# KiCad board BDCMotorController.kicad_pcb
date: mar. 31 mars 2015
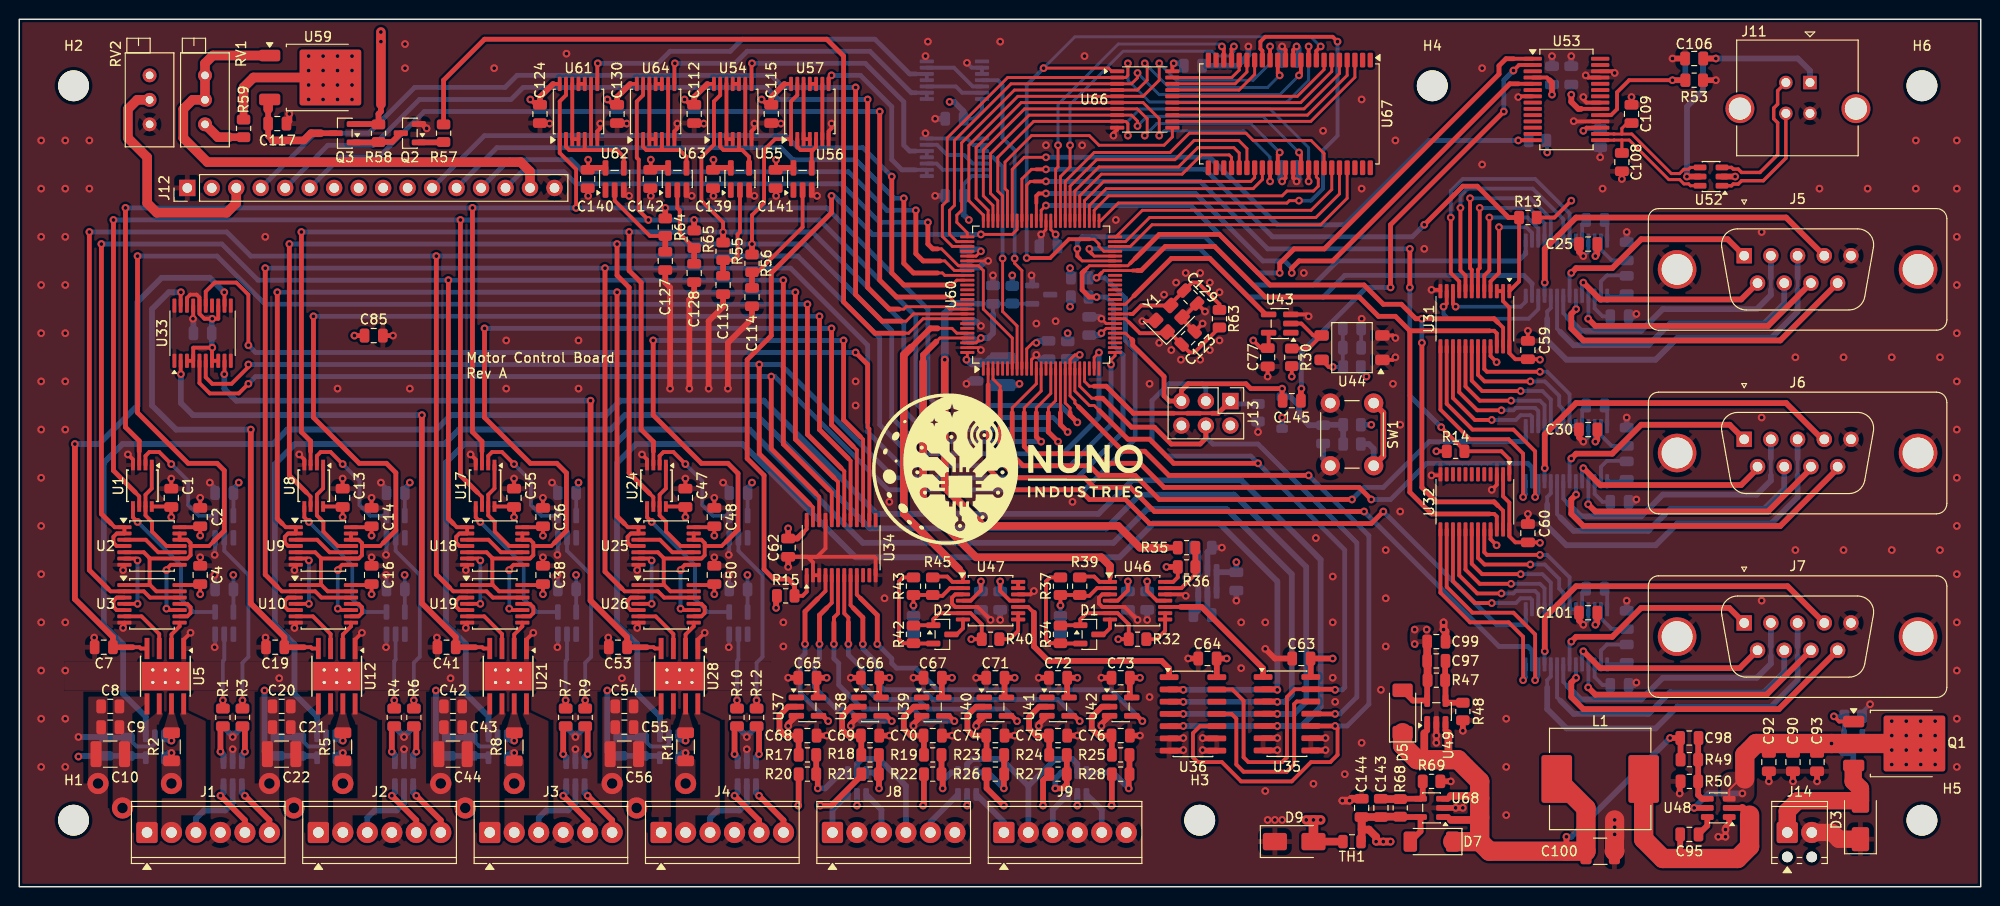
[diagram p0: board, top side]
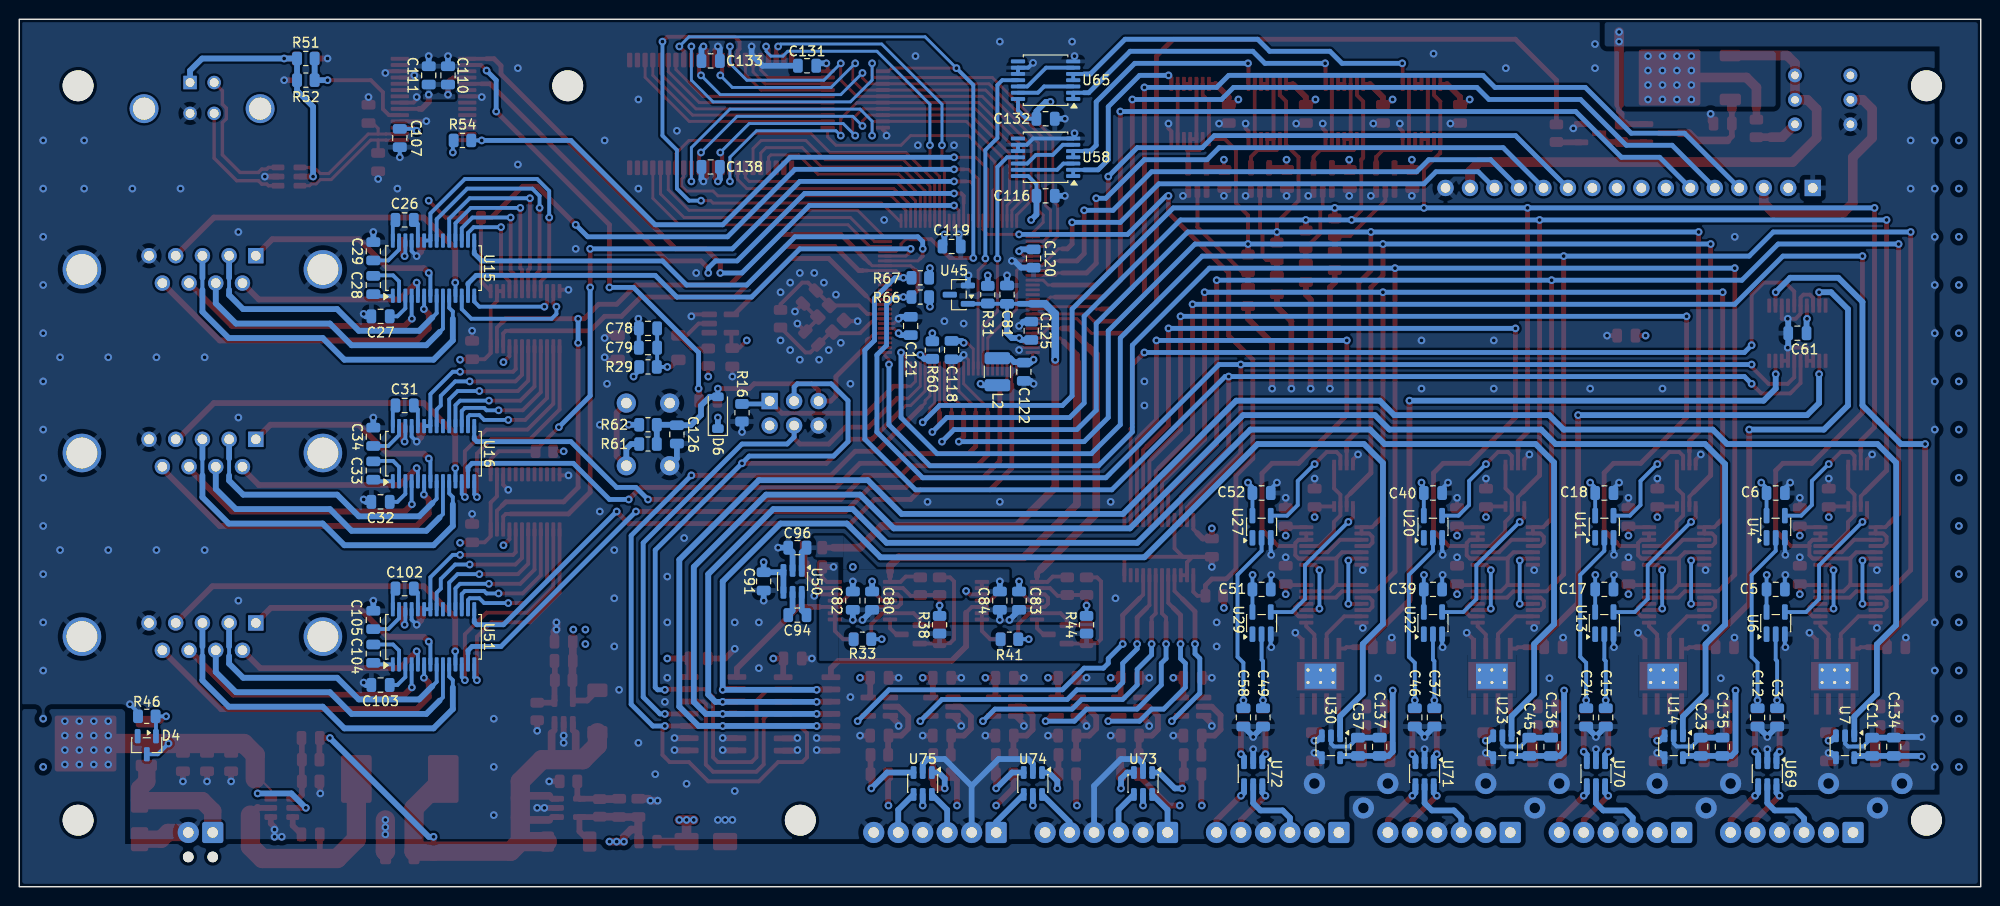
[diagram p1: board, bottom side, seen from below]

Outline 203.5 x 90 mm; copper layers: Top, In1.Cu (plane), In2.Cu (plane), Bottom. Coordinates in mm from the lower left corner of the outline.
Outline path: rectangle 0,90 203.5,0
Stack: Top 0.035mm / dielectric 0.2104mm FR4 er 4.5 / In1.Cu 0.0152mm / dielectric 1.065mm FR4 er 4.5 / In2.Cu 0.0152mm / dielectric 0.2104mm FR4 er 4.5 / Bottom 0.035mm

## Placement (name value [footprint] x y rotation side)
C1  100nC  [C_0805_2012Metric]  15.77 40.35 90 top
C2  100nC  [C_0805_2012Metric]  18.77 38.35 90 top
C3  100pC  [C_0805_2012Metric]  21.12 17.57 270 bottom
C4  100nC  [C_0805_2012Metric]  18.77 32.35 90 top
C5  100nC  [C_0805_2012Metric]  21.27 30.85 180 bottom
C6  100nC  [C_0805_2012Metric]  21.27 40.85 180 bottom
C7  100nC  [C_0805_2012Metric]  8.77 24.85 180 top
C8  100nC  [C_0805_2012Metric]  9.44 18.71 180 top
C9  10uC  [C_0805_2012Metric]  9.44 16.55 180 top
C10  47uC  [C_1210_3225Metric]  9.44 13.76 180 top
C11  100nC  [C_0805_2012Metric]  11.27 14.52 90 bottom
C12  100pC  [C_0805_2012Metric]  23.16 17.57 270 bottom
C13  100nC  [C_0805_2012Metric]  33.55 40.35 90 top
C14  100nC  [C_0805_2012Metric]  36.55 38.35 90 top
C15  100pC  [C_0805_2012Metric]  38.9 17.57 270 bottom
C16  100nC  [C_0805_2012Metric]  36.55 32.35 90 top
C17  100nC  [C_0805_2012Metric]  39.05 30.85 180 bottom
C18  100nC  [C_0805_2012Metric]  39.05 40.85 180 bottom
C19  100nC  [C_0805_2012Metric]  26.55 24.85 180 top
C20  100nC  [C_0805_2012Metric]  27.22 18.71 180 top
C21  10uC  [C_0805_2012Metric]  27.22 16.55 180 top
C22  47uC  [C_1210_3225Metric]  27.22 13.76 180 top
C23  100nC  [C_0805_2012Metric]  29.05 14.52 90 bottom
C24  100pC  [C_0805_2012Metric]  40.94 17.57 270 bottom
C25  100nC  [C_0805_2012Metric]  162.77 66.68 180 top
C26  330nC  [C_0805_2012Metric]  163.52 69.18 180 bottom
C27  330nC  [C_0805_2012Metric]  166.02 59.18 0 bottom
C28  330nC  [C_0805_2012Metric]  166.77 62.43 90 bottom
C29  330nC  [C_0805_2012Metric]  166.77 65.93 90 bottom
C30  100nC  [C_0805_2012Metric]  162.77 47.43 180 top
C31  330nC  [C_0805_2012Metric]  163.52 49.93 180 bottom
C32  330nC  [C_0805_2012Metric]  166.02 39.93 0 bottom
C33  330nC  [C_0805_2012Metric]  166.77 43.18 90 bottom
C34  330nC  [C_0805_2012Metric]  166.77 46.68 90 bottom
C35  100nC  [C_0805_2012Metric]  51.33 40.35 90 top
C36  100nC  [C_0805_2012Metric]  54.33 38.35 90 top
C37  100pC  [C_0805_2012Metric]  56.68 17.57 270 bottom
C38  100nC  [C_0805_2012Metric]  54.33 32.35 90 top
C39  100nC  [C_0805_2012Metric]  56.83 30.85 180 bottom
C40  100nC  [C_0805_2012Metric]  56.83 40.85 180 bottom
C41  100nC  [C_0805_2012Metric]  44.33 24.85 180 top
C42  100nC  [C_0805_2012Metric]  45 18.71 180 top
C43  10uC  [C_0805_2012Metric]  45 16.55 180 top
C44  47uC  [C_1210_3225Metric]  45 13.76 180 top
C45  100nC  [C_0805_2012Metric]  46.83 14.52 90 bottom
C46  100pC  [C_0805_2012Metric]  58.72 17.57 270 bottom
C47  100nC  [C_0805_2012Metric]  69.11 40.35 90 top
C48  100nC  [C_0805_2012Metric]  72.11 38.35 90 top
C49  100pC  [C_0805_2012Metric]  74.46 17.57 270 bottom
C50  100nC  [C_0805_2012Metric]  72.11 32.35 90 top
C51  100nC  [C_0805_2012Metric]  74.61 30.85 180 bottom
C52  100nC  [C_0805_2012Metric]  74.61 40.85 180 bottom
C53  100nC  [C_0805_2012Metric]  62.11 24.85 180 top
C54  100nC  [C_0805_2012Metric]  62.78 18.71 180 top
C55  10uC  [C_0805_2012Metric]  62.78 16.55 180 top
C56  47uC  [C_1210_3225Metric]  62.78 13.76 180 top
C57  100nC  [C_0805_2012Metric]  64.61 14.52 90 bottom
C58  100pC  [C_0805_2012Metric]  76.5 17.57 270 bottom
C59  100nC  [C_0805_2012Metric]  156.52 55.68 90 top
C60  100nC  [C_0805_2012Metric]  156.52 36.68 90 top
C61  100nC  [C_0805_2012Metric]  19.02 57.43 0 bottom
C62  100nC  [C_0805_2012Metric]  79.77 35.18 270 top
C63  100nC  [C_0805_2012Metric]  133.02 23.68 180 top
C64  100nC  [C_0805_2012Metric]  123.27 23.68 180 top
C65  100nC  [C_0805_2012Metric]  81.77 21.68 180 top
C66  100nC  [C_0805_2012Metric]  88.27 21.68 180 top
C67  100nC  [C_0805_2012Metric]  94.77 21.68 180 top
C68  100nC  [C_0805_2012Metric]  81.77 15.68 0 top
C69  100nC  [C_0805_2012Metric]  88.27 15.68 0 top
C70  100nC  [C_0805_2012Metric]  94.77 15.68 0 top
C71  100nC  [C_0805_2012Metric]  101.27 21.68 180 top
C72  100nC  [C_0805_2012Metric]  107.77 21.68 180 top
C73  100nC  [C_0805_2012Metric]  114.27 21.68 180 top
C74  100nC  [C_0805_2012Metric]  101.27 15.68 0 top
C75  100nC  [C_0805_2012Metric]  107.77 15.68 0 top
C76  100nC  [C_0805_2012Metric]  114.27 15.68 0 top
C77  100nC  [C_0805_2012Metric]  129.52 54.93 270 top
C78  2.2uC  [C_0805_2012Metric]  138.27 57.93 0 bottom
C79  2.2uC  [C_0805_2012Metric]  138.27 55.93 0 bottom
C80  100nC  [C_0805_2012Metric]  115.02 29.68 270 bottom
C81  100nC  [C_0805_2012Metric]  101.02 61.43 90 bottom
C82  100nC  [C_0805_2012Metric]  117.02 29.68 90 bottom
C83  100nC  [C_0805_2012Metric]  99.77 29.68 270 bottom
C84  100nC  [C_0805_2012Metric]  101.77 29.68 90 bottom
C85  10uC  [C_0805_2012Metric]  36.77 57.18 0 top
C90  100nC  [C_0805_2012Metric]  184.02 12.93 90 top
C91  2.2uC  [C_0805_2012Metric]  126.27 31.68 270 bottom
C92  10uC  [C_0805_2012Metric]  181.52 12.93 270 top
C93  10uC  [C_0805_2012Metric]  186.52 12.93 270 top
C94  1uC  [C_0805_2012Metric]  122.77 28.18 180 bottom
C95  100nC  [C_0805_2012Metric]  173.27 5.43 180 top
C96  2.2uC  [C_0805_2012Metric]  122.77 35.18 0 bottom
C97  100nC  [C_0805_2012Metric]  147.02 23.43 0 top
C98  13pC  [C_0805_2012Metric]  173.27 15.43 0 top
C99  10uC  [C_0805_2012Metric]  147.02 25.43 0 top
C100  47uC  [C_1210_3225Metric]  164.02 3.68 0 top
C101  100nC  [C_0805_2012Metric]  162.77 28.43 180 top
C102  330nC  [C_0805_2012Metric]  163.52 30.93 180 bottom
C103  330nC  [C_0805_2012Metric]  166.02 20.93 0 bottom
C104  330nC  [C_0805_2012Metric]  166.77 24.18 90 bottom
C105  330nC  [C_0805_2012Metric]  166.77 27.68 90 bottom
C106  100nC  [C_0805_2012Metric]  173.77 85.93 180 top
C107  100nC  [C_0805_2012Metric]  164.02 77.68 270 bottom
C108  13pC  [C_0805_2012Metric]  166.27 75.18 270 top
C109  13pC  [C_0805_2012Metric]  167.27 80.18 90 top
C110  100nC  [C_0805_2012Metric]  159.02 84.18 90 bottom
C111  10uC  [C_0805_2012Metric]  161.02 84.18 90 bottom
C112  100nC  [C_0805_2012Metric]  70.02 80.18 270 top
C113  100pC  [C_0805_2012Metric]  73.02 62.43 270 top
C114  100pC  [C_0805_2012Metric]  76.02 61.18 270 top
C115  100nC  [C_0805_2012Metric]  78.02 80.18 270 top
C116  100nC  [C_0805_2012Metric]  97.02 71.68 180 bottom
C117  100nC  [C_0805_2012Metric]  26.77 79.18 0 top
C118  100nC  [C_0805_2012Metric]  106.77 55.68 270 bottom
C119  100nC  [C_0805_2012Metric]  106.77 66.43 180 bottom
C120  100nC  [C_0805_2012Metric]  98.27 65.18 270 bottom
C121  100nC  [C_0805_2012Metric]  111.02 58.18 90 bottom
C122  100nC  [C_0805_2012Metric]  99.27 53.43 270 bottom
C123  13pC  [C_0805_2012Metric]  121.27 56.93 45 top
C124  100nC  [C_0805_2012Metric]  54.02 80.18 270 top
C125  100nC  [C_0805_2012Metric]  98.52 57.68 90 bottom
C126  100nC  [C_0805_2012Metric]  135.27 46.93 270 bottom
C127  100pC  [C_0805_2012Metric]  67.02 64.93 270 top
C128  100pC  [C_0805_2012Metric]  70.02 63.68 270 top
C129  13pC  [C_0805_2012Metric]  121.52 61.18 315 top
C130  100nC  [C_0805_2012Metric]  62.02 80.18 270 top
C131  100nC  [C_0805_2012Metric]  121.77 85.18 0 bottom
C132  100nC  [C_0805_2012Metric]  97.02 79.68 180 bottom
C133  100nC  [C_0805_2012Metric]  131.77 85.68 180 bottom
C134  2.2uC  [C_0805_2012Metric]  9.02 14.52 90 bottom
C135  2.2uC  [C_0805_2012Metric]  26.8 14.52 90 bottom
C136  2.2uC  [C_0805_2012Metric]  44.58 14.52 90 bottom
C137  2.2uC  [C_0805_2012Metric]  62.36 14.52 90 bottom
C138  100nC  [C_0805_2012Metric]  131.77 74.68 0 bottom
C139  100nC  [C_0805_2012Metric]  71.97 73.43 270 top
C140  100nC  [C_0805_2012Metric]  58.97 73.43 270 top
C141  100nC  [C_0805_2012Metric]  78.47 73.43 270 top
C142  100nC  [C_0805_2012Metric]  65.47 73.43 270 top
C143  100nC  [C_0805_2012Metric]  141.27 8.18 90 top
C144  10uC  [C_0805_2012Metric]  139.27 8.18 90 top
C145  100nC  [C_0805_2012Metric]  132.02 50.43 0 top
D1  BAV99  [SOT-23]  111.02 26.18 0 top
D2  BAV99  [SOT-23]  95.77 26.18 0 top
D3  SMAJ16CA  [D_SMA]  191.02 6.93 90 top
D4  BZX84C10  [SOT-23]  190.27 14.68 270 bottom
D5  CMS30I30A  [D_SOD-128]  143.52 18.18 90 top
D6  4148  [D_SOD-123]  131.02 49.18 90 bottom
D7  CMS30I30A  [D_SOD-128]  146.52 4.68 180 top
D9  SMAJ5.0CA  [D_SMA]  132.27 4.68 0 top
G1  LOGO  [Nuno_Industries]  102.27 43.23 0 top
H1  MountingHole  [MountingHole_3.2mm_M3]  5.63 6.9 0 top
H2  MountingHole  [MountingHole_3.2mm_M3]  5.63 83.1 0 top
H3  MountingHole  [MountingHole_3.2mm_M3]  122.47 6.9 0 top
H4  MountingHole  [MountingHole_3.2mm_M3]  146.6 83.1 0 top
H5  MountingHole  [MountingHole_3.2mm_M3]  197.4 6.9 0 top
H6  MountingHole  [MountingHole_3.2mm_M3]  197.4 83.1 0 top
J1  Screw_Terminal_01x06  [TerminalBlock_Phoenix_MPT-0,5-6-2.54_1x06_P2.54mm_Horizontal]  13.25 5.63 0 top
J2  Screw_Terminal_01x06  [TerminalBlock_Phoenix_MPT-0,5-6-2.54_1x06_P2.54mm_Horizontal]  31.03 5.63 0 top
J3  Screw_Terminal_01x06  [TerminalBlock_Phoenix_MPT-0,5-6-2.54_1x06_P2.54mm_Horizontal]  48.81 5.63 0 top
J4  Screw_Terminal_01x06  [TerminalBlock_Phoenix_MPT-0,5-6-2.54_1x06_P2.54mm_Horizontal]  66.59 5.63 0 top
J5  DE9_Pins_MountingHoles  [DSUB-9_Pins_Vertical_P2.77x2.84mm_MountingHoles]  178.96 65.47 0 top
J6  DE9_Pins_MountingHoles  [DSUB-9_Pins_Vertical_P2.77x2.84mm_MountingHoles]  178.96 46.42 0 top
J7  DE9_Pins_MountingHoles  [DSUB-9_Pins_Vertical_P2.77x2.84mm_MountingHoles]  178.96 27.37 0 top
J8  Screw_Terminal_01x06  [TerminalBlock_Phoenix_MPT-0,5-6-2.54_1x06_P2.54mm_Horizontal]  84.37 5.63 0 top
J9  Screw_Terminal_01x06  [TerminalBlock_Phoenix_MPT-0,5-6-2.54_1x06_P2.54mm_Horizontal]  102.15 5.63 0 top
J11  USB_B  [USB_B_TE_5787834_Vertical]  185.78 83.44 0 top
J12  Conn_01x16  [PinHeader_1x16_P2.54mm_Vertical]  17.43 72.5 90 top
J13  ICSP  [PinHeader_2x03_P2.54mm_Vertical]  125.65 50.39 270 top
J14  Screw_Terminal_01x02  [TerminalBlock_Phoenix_MPT-0,5-2-2.54_1x02_P2.54mm_Horizontal]  183.43 5.63 0 top
L1  4u7L  [L_Vishay_IHLP-4040]  164.02 11.18 180 top
L2  10uL  [L_1210_3225Metric]  102.02 53.43 90 bottom
Q1  IRFR5305  [TO-252-2]  195.36 14.86 0 top
Q2  BC847  [SOT-23]  40.52 78.18 180 top
Q3  IRLML5203  [SOT-23]  33.77 78.18 180 top
R1  1kR  [R_0805_2012Metric]  21.12 17.57 270 top
R2  150mR  [R_1206_3216Metric]  15.79 14.52 90 top
R3  1kR  [R_0805_2012Metric]  23.16 17.57 270 top
R4  1kR  [R_0805_2012Metric]  38.9 17.57 270 top
R5  150mR  [R_1206_3216Metric]  33.57 14.52 90 top
R6  1kR  [R_0805_2012Metric]  40.94 17.57 270 top
R7  1kR  [R_0805_2012Metric]  56.68 17.57 270 top
R8  150mR  [R_1206_3216Metric]  51.35 14.52 90 top
R9  1kR  [R_0805_2012Metric]  58.72 17.57 270 top
R10  1kR  [R_0805_2012Metric]  74.46 17.57 270 top
R11  150mR  [R_1206_3216Metric]  69.13 14.52 90 top
R12  1kR  [R_0805_2012Metric]  76.5 17.57 270 top
R13  10kR  [R_0805_2012Metric]  156.52 69.43 0 top
R14  10kR  [R_0805_2012Metric]  149.02 45.18 180 top
R15  10kR  [R_0805_2012Metric]  79.52 30.18 0 top
R16  10kR  [R_0805_2012Metric]  128.52 49.18 270 bottom
R17  10kR  [R_0805_2012Metric]  81.77 13.68 0 top
R18  10kR  [R_0805_2012Metric]  88.27 13.68 0 top
R19  10kR  [R_0805_2012Metric]  94.77 13.68 0 top
R20  10kR  [R_0805_2012Metric]  81.77 11.68 180 top
R21  10kR  [R_0805_2012Metric]  88.27 11.68 180 top
R22  10kR  [R_0805_2012Metric]  94.77 11.68 180 top
R23  10kR  [R_0805_2012Metric]  101.27 13.68 0 top
R24  10kR  [R_0805_2012Metric]  107.77 13.68 0 top
R25  10kR  [R_0805_2012Metric]  114.27 13.68 0 top
R26  10kR  [R_0805_2012Metric]  101.27 11.68 180 top
R27  10kR  [R_0805_2012Metric]  107.77 11.68 180 top
R28  10kR  [R_0805_2012Metric]  114.27 11.68 180 top
R29  160R  [R_0805_2012Metric]  138.27 53.93 0 bottom
R30  10kR  [R_0805_2012Metric]  132.02 54.93 90 top
R31  1kR  [R_0805_2012Metric]  103.02 61.43 270 bottom
R32  10kR  [R_0805_2012Metric]  116.02 25.68 0 top
R33  10kR  [R_0805_2012Metric]  116.02 25.68 0 bottom
R34  10kR  [R_0805_2012Metric]  108.02 26.18 90 top
R35  10kR  [R_0805_2012Metric]  121.11 35.18 180 top
R36  10kR  [R_0805_2012Metric]  121.11 33.18 180 top
R37  10kR  [R_0805_2012Metric]  108.02 31.18 90 top
R38  10kR  [R_0805_2012Metric]  108.02 27.18 90 bottom
R39  10kR  [R_0805_2012Metric]  110.02 31.18 270 top
R40  10kR  [R_0805_2012Metric]  100.77 25.68 0 top
R41  10kR  [R_0805_2012Metric]  100.77 25.68 0 bottom
R42  10kR  [R_0805_2012Metric]  92.77 26.18 90 top
R43  10kR  [R_0805_2012Metric]  92.77 31.18 90 top
R44  10kR  [R_0805_2012Metric]  92.77 27.18 90 bottom
R45  10kR  [R_0805_2012Metric]  94.77 31.18 270 top
R46  10kR  [R_0805_2012Metric]  190.27 17.68 0 bottom
R47  80k6R  [R_0805_2012Metric]  147.02 21.43 0 top
R48  10kR  [R_0805_2012Metric]  149.77 18.18 270 top
R49  61k9R  [R_0805_2012Metric]  173.27 13.18 0 top
R50  10kR  [R_0805_2012Metric]  173.27 10.93 180 top
R51  10kR  [R_0805_2012Metric]  173.77 85.93 180 bottom
R52  10kR  [R_0805_2012Metric]  173.77 83.68 180 bottom
R53  10kR  [R_0805_2012Metric]  173.77 83.68 0 top
R54  10kR  [R_0805_2012Metric]  157.52 77.43 180 bottom
R55  100kR  [R_0805_2012Metric]  73.02 65.93 270 top
R56  100kR  [R_0805_2012Metric]  76.02 64.68 270 top
R57  10kR  [R_0805_2012Metric]  44.02 78.18 270 top
R58  10kR  [R_0805_2012Metric]  37.27 78.18 270 top
R59  10R  [R_0805_2012Metric]  23.27 78.68 270 top
R60  10kR  [R_0805_2012Metric]  108.77 55.68 270 bottom
R61  160R  [R_0805_2012Metric]  138.27 45.93 0 bottom
R62  10kR  [R_0805_2012Metric]  138.27 47.93 180 bottom
R63  100kR  [R_0805_2012Metric]  124.52 58.93 90 top
R64  100kR  [R_0805_2012Metric]  67.02 68.43 270 top
R65  100kR  [R_0805_2012Metric]  70.02 67.18 270 top
R66  2kR  [R_0805_2012Metric]  110.02 61.18 0 bottom
R67  2kR  [R_0805_2012Metric]  110.02 63.18 0 bottom
R68  80k6R  [R_0805_2012Metric]  143.27 8.18 90 top
R69  10kR  [R_0805_2012Metric]  146.52 10.93 0 top
RV1  200R  [Potentiometer_Bourns_3296X_Horizontal]  19.27 79.1 270 top
RV2  10kR  [Potentiometer_Bourns_3296X_Horizontal]  13.52 79.1 270 top
SW1  SW_Push  [SW_PUSH_6mm_H13mm]  136.02 43.68 90 top
TH1  Thermistor_PTC  [Fuse_0805_2012Metric]  138.27 4.68 0 top
U1  74AHC2G125  [TSSOP-8_3x3mm_P0.65mm]  12.77 41.6 270 top
U2  74AHC00  [TSSOP-14_4.4x5mm_P0.65mm]  13.77 35.35 0 top
U3  74AHC00  [TSSOP-14_4.4x5mm_P0.65mm]  13.77 29.35 0 top
U4  74AHC1G17  [SC-74A-5_1.55x2.9mm_P0.95mm]  21.27 37.35 90 bottom
U5  DRV8870DDA  [Texas_HTSOP-8-1EP_3.9x4.9mm_P1.27mm_EP2.95x4.9mm_Mask2.4x3.1mm_ThermalVias]  15.16 21.84 270 top
U6  74AHC1G17  [SC-74A-5_1.55x2.9mm_P0.95mm]  21.27 27.35 90 bottom
U7  INA180A1  [SOT-23-5]  14.07 14.52 270 bottom
U8  74AHC2G125  [TSSOP-8_3x3mm_P0.65mm]  30.55 41.6 270 top
U9  74AHC00  [TSSOP-14_4.4x5mm_P0.65mm]  31.55 35.35 0 top
U10  74AHC00  [TSSOP-14_4.4x5mm_P0.65mm]  31.55 29.35 0 top
U11  74AHC1G17  [SC-74A-5_1.55x2.9mm_P0.95mm]  39.05 37.35 90 bottom
U12  DRV8870DDA  [Texas_HTSOP-8-1EP_3.9x4.9mm_P1.27mm_EP2.95x4.9mm_Mask2.4x3.1mm_ThermalVias]  32.94 21.84 270 top
U13  74AHC1G17  [SC-74A-5_1.55x2.9mm_P0.95mm]  39.05 27.35 90 bottom
U14  INA180A1  [SOT-23-5]  31.85 14.52 270 bottom
U15  SP3243E  [TSSOP-28_4.4x9.7mm_P0.65mm]  160.52 64.18 90 bottom
U16  SP3243E  [TSSOP-28_4.4x9.7mm_P0.65mm]  160.52 44.93 90 bottom
U17  74AHC2G125  [TSSOP-8_3x3mm_P0.65mm]  48.33 41.6 270 top
U18  74AHC00  [TSSOP-14_4.4x5mm_P0.65mm]  49.33 35.35 0 top
U19  74AHC00  [TSSOP-14_4.4x5mm_P0.65mm]  49.33 29.35 0 top
U20  74AHC1G17  [SC-74A-5_1.55x2.9mm_P0.95mm]  56.83 37.35 90 bottom
U21  DRV8870DDA  [Texas_HTSOP-8-1EP_3.9x4.9mm_P1.27mm_EP2.95x4.9mm_Mask2.4x3.1mm_ThermalVias]  50.71 21.84 270 top
U22  74AHC1G17  [SC-74A-5_1.55x2.9mm_P0.95mm]  56.83 27.35 90 bottom
U23  INA180A1  [SOT-23-5]  49.63 14.52 270 bottom
U24  74AHC2G125  [TSSOP-8_3x3mm_P0.65mm]  66.11 41.6 270 top
U25  74AHC00  [TSSOP-14_4.4x5mm_P0.65mm]  67.11 35.35 0 top
U26  74AHC00  [TSSOP-14_4.4x5mm_P0.65mm]  67.11 29.35 0 top
U27  74AHC1G17  [SC-74A-5_1.55x2.9mm_P0.95mm]  74.61 37.35 90 bottom
U28  DRV8870DDA  [Texas_HTSOP-8-1EP_3.9x4.9mm_P1.27mm_EP2.95x4.9mm_Mask2.4x3.1mm_ThermalVias]  68.49 21.84 270 top
U29  74AHC1G17  [SC-74A-5_1.55x2.9mm_P0.95mm]  74.61 27.35 90 bottom
U30  INA180A1  [SOT-23-5]  67.41 14.52 270 bottom
U31  PCA9555PW  [TSSOP-24_4.4x7.8mm_P0.65mm]  151.02 58.93 270 top
U32  PCA9555PW  [TSSOP-24_4.4x7.8mm_P0.65mm]  151.02 39.93 270 top
U33  MCP4451  [TSSOP-20_4.4x6.5mm_P0.65mm]  19.02 57.43 90 top
U34  PCA9555PW  [TSSOP-24_4.4x7.8mm_P0.65mm]  85.27 35.18 90 top
U35  MCP6S26  [SOIC-14_3.9x8.7mm_P1.27mm]  131.52 17.95 0 top
U36  MCP6S26  [SOIC-14_3.9x8.7mm_P1.27mm]  121.77 17.93 0 top
U37  74AHC1G17  [SC-74A-5_1.55x2.9mm_P0.95mm]  81.77 18.68 0 top
U38  74AHC1G17  [SC-74A-5_1.55x2.9mm_P0.95mm]  88.27 18.68 0 top
U39  74AHC1G17  [SC-74A-5_1.55x2.9mm_P0.95mm]  94.77 18.68 0 top
U40  74AHC1G17  [SC-74A-5_1.55x2.9mm_P0.95mm]  101.27 18.68 0 top
U41  74AHC1G17  [SC-74A-5_1.55x2.9mm_P0.95mm]  107.77 18.68 0 top
U42  74AHC1G17  [SC-74A-5_1.55x2.9mm_P0.95mm]  114.27 18.68 0 top
U43  74AHC1G17  [SC-74A-5_1.55x2.9mm_P0.95mm]  130.77 58.43 180 top
U44  IRM-H6xxT  [Everlight_IRM-H6xxT]  138.27 55.93 180 top
U45  LM4040DBZ-3.0  [SOT-23]  106.02 61.43 0 bottom
U46  AD8648  [TSSOP-14_4.4x5mm_P0.65mm]  116.02 29.68 0 top
U47  AD8648  [TSSOP-14_4.4x5mm_P0.65mm]  100.77 29.68 0 top
U48  TPS561208DDCR  [SOT-23-6]  176.27 8.18 180 top
U49  TLV75801PDBVR  [SOT-23-5]  147.02 18.18 90 top
U50  LM2776  [SOT-23-6]  123.27 31.68 270 bottom
U51  SP3243E  [TSSOP-28_4.4x9.7mm_P0.65mm]  160.52 25.93 90 bottom
U52  USBLC6-2SC6  [SOT-23-6]  175.52 73.68 180 top
U53  FT232RN  [SSOP-28_5.3x10.2mm_P0.65mm]  160.52 81.68 0 top
U54  74AHC00  [TSSOP-14_4.4x5mm_P0.65mm]  74.02 80.43 90 top
U55  74AHC1G17  [SC-74A-5_1.55x2.9mm_P0.95mm]  74.77 73.43 90 top
U56  74AHC1G17  [SC-74A-5_1.55x2.9mm_P0.95mm]  81.27 73.43 90 top
U57  74AHC00  [TSSOP-14_4.4x5mm_P0.65mm]  82.02 80.43 90 top
U58  74AHC00  [TSSOP-14_4.4x5mm_P0.65mm]  97.02 75.68 0 bottom
U59  LM317_TO-252  [TO-252-2]  31.02 83.96 0 top
U60  ATmega2560-16A  [TQFP-100_14x14mm_P0.5mm]  106.02 61.43 90 top
U61  74AHC00  [TSSOP-14_4.4x5mm_P0.65mm]  58.02 80.43 90 top
U62  74AHC1G17  [SC-74A-5_1.55x2.9mm_P0.95mm]  61.77 73.43 90 top
U63  74AHC1G17  [SC-74A-5_1.55x2.9mm_P0.95mm]  68.27 73.43 90 top
U64  74AHC00  [TSSOP-14_4.4x5mm_P0.65mm]  66.02 80.43 90 top
U65  74AHC00  [TSSOP-14_4.4x5mm_P0.65mm]  97.02 83.68 0 bottom
U66  74AHC573  [TSSOP-20_4.4x6.5mm_P0.65mm]  116.77 81.68 0 top
U67  AS7C4096A  [TSOP-II-44_10.16x18.41mm_P0.8mm]  131.77 80.18 270 top
U68  TLV75801PDBVR  [SOT-23-5]  146.52 8.18 180 top
U69  USBLC6-2SC6  [SOT-23-6]  22.14 11.73 270 bottom
U70  USBLC6-2SC6  [SOT-23-6]  39.92 11.73 270 bottom
U71  USBLC6-2SC6  [SOT-23-6]  57.7 11.73 270 bottom
U72  USBLC6-2SC6  [SOT-23-6]  75.48 11.73 270 bottom
U73  USBLC6-2SC6  [SOT-23-6]  86.91 10.71 270 bottom
U74  USBLC6-2SC6  [SOT-23-6]  98.34 10.71 270 bottom
U75  USBLC6-2SC6  [SOT-23-6]  109.77 10.71 270 bottom
Y1  16MHz  [Crystal_SMD_3225-4Pin_3.2x2.5mm]  119.27 58.93 45 top
